# KiCad board fpga_panelized.kicad_pcb (continued)
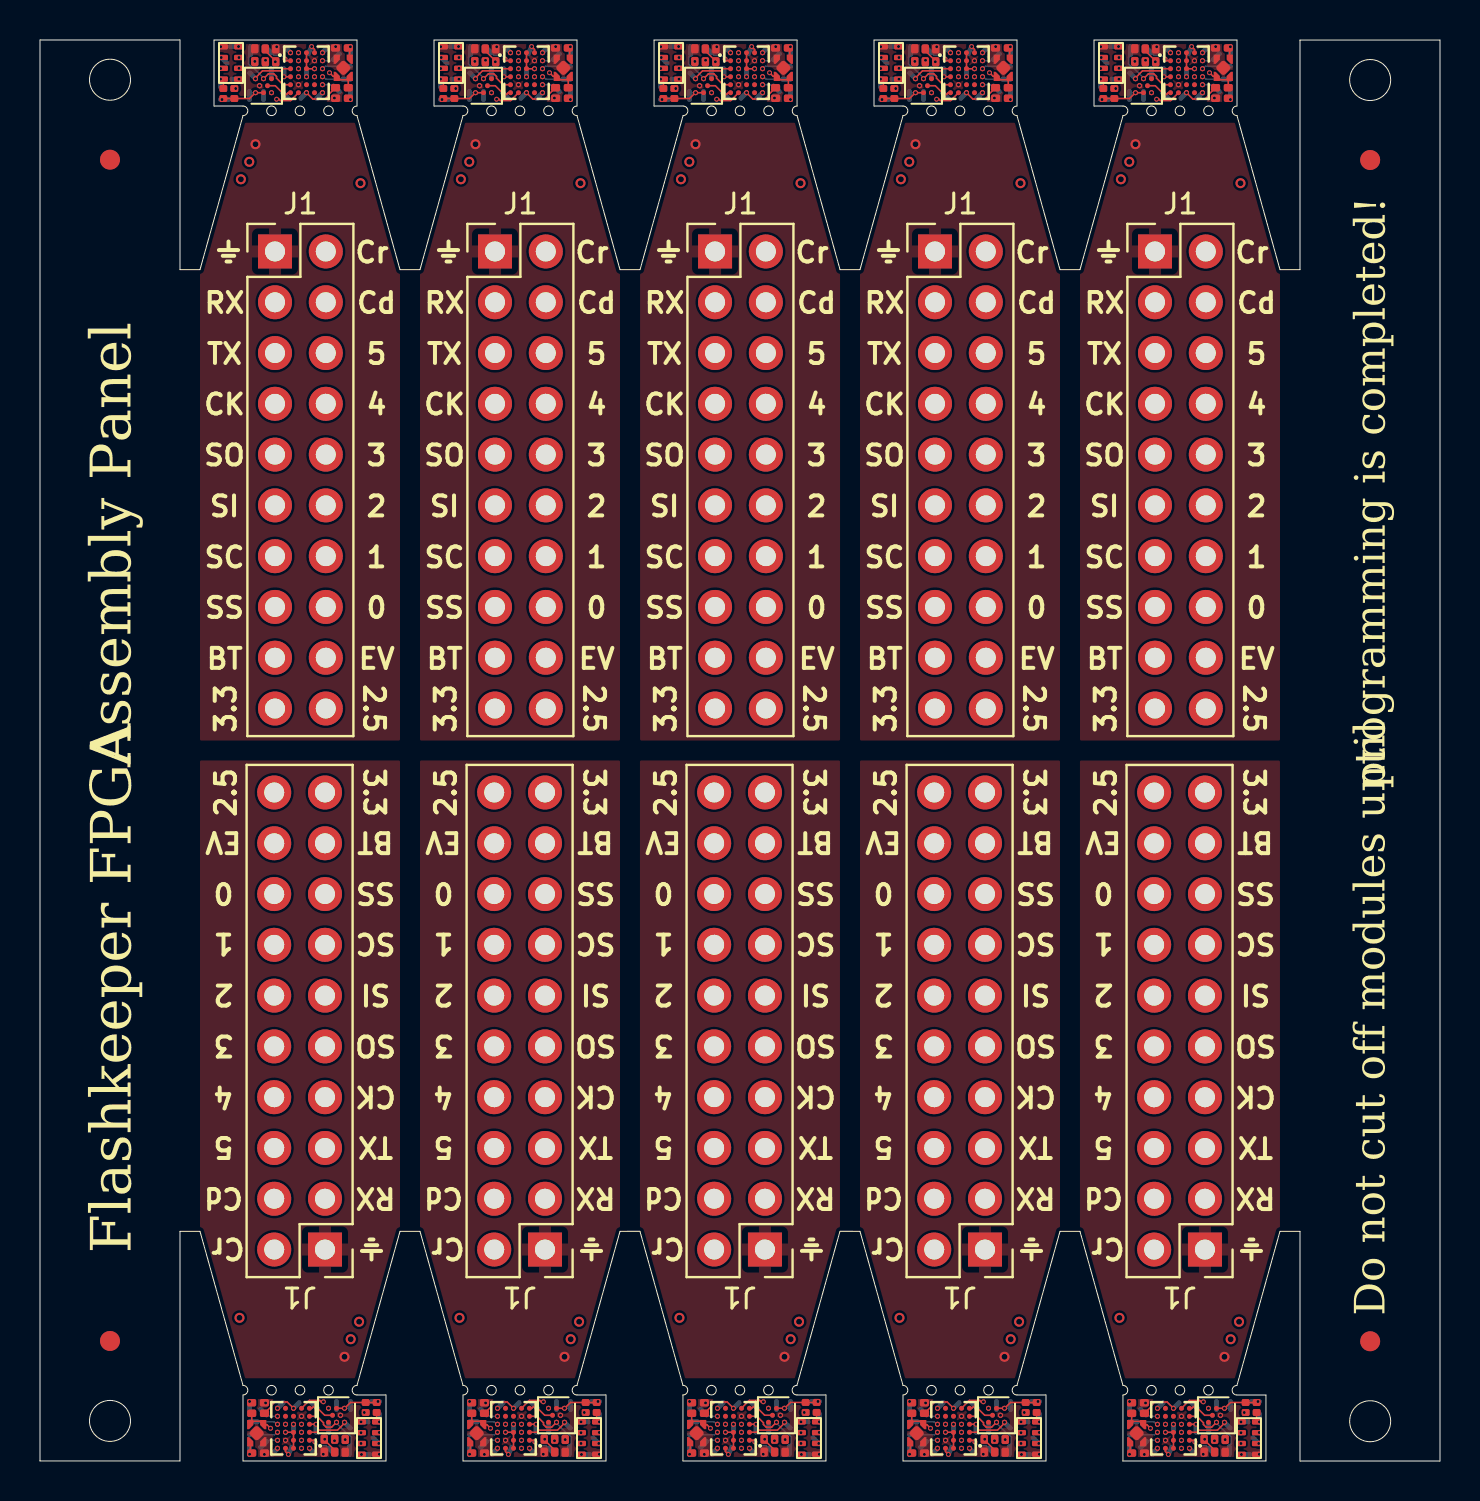
[diagram p0: board, top side]
## Routing (per net, layer and track width the routed paths; a pad name or vN(x,y) marks a point on that pad's centre or on a via; arc(x,y) is an arc through that point) (continued)
CRESET: length 103.1
  Top w0.076: v1(35.33,68.44) 35.64,68.12 36.26,68.12 36.44,68.31 36.44,68.35 R1#5.2 36.8,68.71 36.8,68.74 36.78,68.77 36.74,68.77 ; v1(23.68,2.64) 23.36,2.95 22.74,2.95 22.56,2.77 22.56,2.72 R1#9.2 22.2,2.36 22.2,2.33 22.23,2.31 22.26,2.31 ; 33.26,2.31 33.22,2.31 33.2,2.33 33.2,2.36 R1#4.2 33.56,2.72 33.56,2.77 33.74,2.95 34.36,2.95 v1(34.67,2.64) ; v1(46.32,68.44) 46.64,68.12 47.26,68.12 47.44,68.31 47.44,68.35 R1.2 47.8,68.71 47.8,68.74 47.77,68.77 47.74,68.77 ; 11.26,2.31 11.23,2.31 11.2,2.33 11.2,2.36 R1#8.2 11.56,2.72 11.56,2.77 11.74,2.95 12.36,2.95 v1(12.68,2.64) ; 14.74,68.77 14.77,68.77 14.8,68.74 14.8,68.71 R1#2.2 14.44,68.35 14.44,68.31 14.26,68.12 13.64,68.12 v1(13.32,68.44) ; 25.74,68.77 25.77,68.77 25.8,68.74 25.8,68.71 R1#10.2 25.44,68.35 25.44,68.31 25.26,68.12 24.64,68.12 v1(24.32,68.44) ; v1(56.67,2.64) 56.36,2.95 55.74,2.95 55.56,2.77 55.56,2.72 R1#7.2 55.2,2.36 55.2,2.33 55.22,2.31 55.26,2.31 ; v1(57.32,68.44) 57.64,68.12 58.26,68.12 58.44,68.31 58.44,68.35 R1#6.2 58.8,68.71 58.8,68.74 58.77,68.77 58.74,68.77 ; v1(45.68,2.64) 45.36,2.95 44.74,2.95 44.56,2.77 44.56,2.72 R1#3.2 44.2,2.36 44.2,2.33 44.23,2.31 44.26,2.31
  In4.Cu w0.076: v1(24.33,68.44) 24.33,68.17 24.48,68.02 24.48,66.63 24.73,66.39 ; v1(45.68,2.64) 45.68,2.9 45.52,3.06 45.52,4.44 45.28,4.69 ; v1(57.33,68.44) 57.33,68.17 57.48,68.02 57.48,66.63 57.72,66.39 ; 34.27,4.69 34.52,4.44 34.52,3.06 34.67,2.9 v1(34.67,2.64) ; 46.72,66.39 46.48,66.63 46.48,68.02 46.33,68.17 v1(46.33,68.44) ; v1(56.67,2.64) 56.67,2.9 56.52,3.06 56.52,4.44 56.27,4.69 ; 12.28,4.69 12.52,4.44 12.52,3.06 12.68,2.9 v1(12.68,2.64) ; 35.73,66.39 35.48,66.63 35.48,68.02 35.33,68.17 v1(35.33,68.44) ; v1(23.68,2.64) 23.68,2.9 23.52,3.06 23.52,4.44 23.28,4.69 ; v1(13.33,68.44) 13.33,68.17 13.48,68.02 13.48,66.63 13.73,66.39
  In4.Cu w0.125: J1#2.2 58.29,65.82 57.72,66.39 ; 56.27,4.69 55.71,5.25 J1#8.2 ; 12.28,4.69 11.71,5.25 J1#9.2 ; J1#6.2 25.29,65.82 24.73,66.39 ; J1#3.2 47.29,65.82 46.72,66.39 ; 35.73,66.39 36.29,65.82 J1#4.2 ; 45.28,4.69 44.71,5.25 J1#5.2 ; J1#7.2 33.71,5.25 34.27,4.69 ; 23.28,4.69 22.71,5.25 J1#10.2 ; 13.73,66.39 14.29,65.82 J1.2
CSPI_MISO: length 269.1
  Top w0.076: U1#10.E1 13.85,2.24 14.18,1.91 14.18,1.83 14.3,1.7 14.59,1.7 v1(14.83,1.94) ; U1#9.E1 12.15,68.84 11.82,69.16 11.82,69.25 11.7,69.38 11.41,69.38 v1(11.17,69.14) ; v1(22.17,69.14) 22.41,69.38 22.7,69.38 22.82,69.25 22.82,69.16 23.15,68.84 U1#4.E1 ; v1(55.17,69.14) 55.41,69.38 55.7,69.38 55.82,69.25 55.82,69.16 56.15,68.84 U1#8.E1 ; v1(44.17,69.14) 44.41,69.38 44.7,69.38 44.82,69.25 44.82,69.16 45.15,68.84 U1#3.E1 ; v1(58.82,1.94) 58.58,1.7 58.3,1.7 58.17,1.82 58.17,1.91 57.85,2.24 U1#2.E1 ; v1(47.83,1.94) 47.59,1.7 47.3,1.7 47.18,1.83 47.18,1.91 46.85,2.24 U1#6.E1 ; U1#5.E1 24.85,2.24 25.18,1.91 25.18,1.83 25.3,1.7 25.59,1.7 v1(25.83,1.94) ; U1.E1 35.85,2.24 36.17,1.91 36.17,1.83 36.3,1.7 36.58,1.7 v1(36.82,1.94) ; U1#7.E1 34.15,68.84 33.83,69.16 33.83,69.25 33.7,69.38 33.42,69.38 v1(33.18,69.14)
  In3.Cu w0.076: v1(14.83,1.94) 14.7,2.06 14.7,2.47 14.89,2.66 14.89,2.76 15.06,2.93 15.06,4.65 ; 59.06,4.65 59.06,2.93 58.89,2.76 58.89,2.66 58.7,2.47 58.7,2.06 v1(58.82,1.94) ; v1(47.83,1.94) 47.7,2.06 47.7,2.47 47.89,2.66 47.89,2.76 48.06,2.93 48.06,4.65 ; 10.94,66.43 10.94,68.14 11.11,68.31 11.11,68.42 11.3,68.61 11.3,69.01 v1(11.17,69.14) ; 21.94,66.43 21.94,68.14 22.11,68.31 22.11,68.42 22.3,68.61 22.3,69.01 v1(22.17,69.14) ; 32.94,66.43 32.94,68.14 33.11,68.31 33.11,68.42 33.3,68.61 33.3,69.01 v1(33.18,69.14) ; v1(36.82,1.94) 36.7,2.06 36.7,2.47 36.89,2.66 36.89,2.76 37.06,2.93 37.06,4.65 ; v1(25.83,1.94) 25.7,2.06 25.7,2.47 25.89,2.66 25.89,2.76 26.06,2.93 26.06,4.65 ; v1(44.17,69.14) 44.3,69.01 44.3,68.61 44.11,68.42 44.11,68.31 43.94,68.14 43.94,66.43 ; 54.94,66.43 54.94,68.14 55.11,68.31 55.11,68.42 55.3,68.61 55.3,69.01 v1(55.17,69.14)
  In3.Cu w0.125: 54.94,66.43 54.94,66.3 55.2,66.04 55.2,63.81 53.4,62.01 53.4,50.15 J1#2.11 ; J1.11 9.4,50.15 9.4,62.01 11.2,63.81 11.2,66.04 10.94,66.3 10.94,66.43 ; J1#7.11 38.6,20.93 38.6,9.06 36.8,7.26 36.8,5.04 37.06,4.78 37.06,4.65 ; 59.06,4.65 59.06,4.78 58.8,5.04 58.8,7.26 60.6,9.06 60.6,20.93 J1#8.11 ; J1#3.11 42.4,50.15 42.4,62.01 44.2,63.81 44.2,66.04 43.94,66.3 43.94,66.43 ; 32.94,66.43 32.94,66.3 33.2,66.04 33.2,63.81 31.4,62.01 31.4,50.15 J1#4.11 ; J1#9.11 16.6,20.93 16.6,9.06 14.8,7.26 14.8,5.04 15.06,4.78 15.06,4.65 ; 26.06,4.65 26.06,4.78 25.8,5.04 25.8,7.26 27.6,9.06 27.6,20.93 J1#10.11 ; J1#6.11 20.4,50.15 20.4,62.01 22.2,63.81 22.2,66.04 21.94,66.3 21.94,66.43 ; 48.06,4.65 48.06,4.78 47.8,5.04 47.8,7.26 49.6,9.06 49.6,20.93 J1#5.11
  Bottom w0.076: 43.48,70.53 43.55,70.47 43.55,70.34 43.43,70.21 43.43,69.87 43.61,69.69 43.67,69.69 44.17,69.18 v1(44.17,69.14) ; 21.48,70.53 21.55,70.47 21.55,70.34 21.43,70.21 21.43,69.87 21.61,69.69 21.67,69.69 22.17,69.18 v1(22.17,69.14) ; v1(36.82,1.94) 36.82,1.89 37.33,1.39 37.39,1.39 37.57,1.2 37.57,0.86 37.45,0.74 37.45,0.61 37.51,0.54 ; 10.48,70.53 10.55,70.47 10.55,70.34 10.43,70.21 10.43,69.87 10.61,69.69 10.67,69.69 11.17,69.18 v1(11.17,69.14) ; v1(55.17,69.14) 55.17,69.18 54.67,69.69 54.61,69.69 54.43,69.87 54.43,70.21 54.55,70.34 54.55,70.47 54.48,70.53 ; 26.52,0.54 26.45,0.61 26.45,0.74 26.57,0.86 26.57,1.2 26.39,1.39 26.33,1.39 25.83,1.89 v1(25.83,1.94) ; v1(58.82,1.94) 58.82,1.89 59.33,1.38 59.39,1.38 59.57,1.2 59.57,0.86 59.45,0.74 59.45,0.61 59.51,0.54 ; v1(47.83,1.94) 47.83,1.89 48.33,1.39 48.39,1.39 48.57,1.2 48.57,0.86 48.45,0.74 48.45,0.61 48.52,0.54 ; v1(33.18,69.14) 33.18,69.18 32.67,69.69 32.61,69.69 32.43,69.87 32.43,70.21 32.55,70.34 32.55,70.47 32.49,70.53 ; 15.52,0.54 15.45,0.61 15.45,0.74 15.57,0.86 15.57,1.2 15.39,1.39 15.33,1.39 14.83,1.89 v1(14.83,1.94)
CSPI_MOSI: length 209.4
  Top w0.076: U3#7.D2 11.77,68.79 12.2,68.36 12.33,68.36 12.41,68.44 U1#9.F1 ; U3#9.D2 33.77,68.79 34.2,68.36 34.33,68.36 34.41,68.44 U1#7.F1 ; U1#8.F1 56.41,68.44 56.33,68.36 56.19,68.36 55.77,68.79 U3#3.D2 ; U1#6.F1 46.59,2.64 46.67,2.72 46.81,2.72 47.24,2.29 U3#10.D2 ; U3#2.D2 22.77,68.79 23.2,68.36 23.33,68.36 23.41,68.44 U1#4.F1 ; U1#5.F1 24.59,2.64 24.67,2.72 24.81,2.72 25.23,2.29 U3#8.D2 ; U3#5.D2 14.23,2.29 13.81,2.72 13.67,2.72 13.59,2.64 U1#10.F1 ; U3#4.D2 36.23,2.29 35.8,2.72 35.67,2.72 35.59,2.64 U1.F1 ; U1#3.F1 45.41,68.44 45.33,68.36 45.19,68.36 44.77,68.79 U3#6.D2 ; U3.D2 58.23,2.29 57.8,2.72 57.67,2.72 57.59,2.64 U1#2.F1
  In2.Cu w0.076: 57.9,4.69 57.78,4.57 57.78,2.72 v1(57.79,2.72) ; 45.1,66.39 45.21,66.5 45.21,68.35 v1(45.21,68.36) ; 13.9,4.69 13.79,4.57 13.79,2.73 v1(13.8,2.72) ; v1(34.21,68.36) 34.22,68.35 34.22,66.5 34.1,66.39 ; v1(23.21,68.36) 23.21,68.35 23.21,66.5 23.1,66.39 ; v1(56.21,68.36) 56.21,68.35 56.21,66.5 56.1,66.39 ; v1(35.79,2.72) 35.78,2.73 35.78,4.57 35.9,4.69 ; v1(24.8,2.72) 24.79,2.73 24.79,4.57 24.9,4.69 ; v1(46.8,2.72) 46.79,2.73 46.79,4.57 46.9,4.69 ; v1(12.21,68.36) 12.21,68.35 12.21,66.5 12.1,66.39
  In2.Cu w0.125: J1#7.9 37.9,19.09 37.9,9.41 35.9,7.41 35.9,4.69 ; 24.9,4.69 24.9,7.41 26.9,9.41 26.9,19.09 J1#10.9 ; 57.9,4.69 57.9,7.41 59.9,9.41 59.9,19.09 J1#8.9 ; 56.1,66.39 56.1,63.66 54.1,61.66 54.1,51.99 J1#2.9 ; J1#9.9 15.9,19.09 15.9,9.41 13.9,7.41 13.9,4.69 ; J1#4.9 32.1,51.99 32.1,61.66 34.1,63.66 34.1,66.39 ; 12.1,66.39 12.1,63.66 10.1,61.66 10.1,51.99 J1.9 ; 45.1,66.39 45.1,63.66 43.1,61.66 43.1,51.99 J1#3.9 ; 46.9,4.69 46.9,7.41 48.9,9.41 48.9,19.09 J1#5.9 ; 23.1,66.39 23.1,63.66 21.1,61.66 21.1,51.99 J1#6.9
CSPI_SCK: length 292.4
  Top w0.076: v1(14.43,2.64) 14.4,2.64 ; v1(46.8,1.84) U1#6.D1 ; v1(25.43,2.64) 25.4,2.64 ; v1(13.8,1.84) U1#10.D1 ; v1(55.57,68.44) 55.6,68.44 ; v1(35.8,1.84) U1.D1 ; v1(44.57,68.44) 44.6,68.44 ; v1(58.42,2.64) 58.4,2.64 ; v1(47.43,2.64) 47.4,2.64 ; v1(57.8,1.84) U1#2.D1 ; v1(12.2,69.24) U1#9.D1 ; v1(22.57,68.44) 22.6,68.44 ; v1(24.8,1.84) U1#5.D1 ; v1(36.42,2.64) 36.4,2.64 ; v1(33.58,68.44) 33.6,68.44 ; v1(34.2,69.24) U1#7.D1 ; v1(11.57,68.44) 11.6,68.44 ; v1(23.2,69.24) U1#4.D1 ; v1(45.2,69.24) U1#3.D1 ; v1(56.2,69.24) U1#8.D1
  In1.Cu w0.076: v1(24.8,1.84) 24.81,1.84 25.43,2.46 v1(25.43,2.64) ; v1(47.43,2.64) 47.43,2.46 46.81,1.84 v1(46.8,1.84) ; v1(14.43,2.64) 14.43,2.46 13.81,1.84 v1(13.8,1.84) ; v1(35.8,1.84) 35.8,1.84 36.42,2.46 v1(36.42,2.64) ; v1(55.57,68.44) 55.57,68.62 56.19,69.24 v1(56.2,69.24) ; v1(44.57,68.44) 44.57,68.62 45.19,69.24 v1(45.2,69.24) ; v1(33.58,68.44) 33.58,68.62 34.2,69.24 v1(34.2,69.24) ; v1(58.42,2.64) 58.42,2.46 57.8,1.84 v1(57.8,1.84) ; v1(12.2,69.24) 12.19,69.24 11.57,68.62 v1(11.57,68.44) ; v1(22.57,68.44) 22.57,68.62 23.19,69.24 v1(23.2,69.24)
  In2.Cu w0.076: v1(22.57,68.44) 22.55,68.44 22.09,67.98 22.09,66.54 22.25,66.39 ; v1(47.43,2.64) 47.45,2.64 47.91,3.09 47.91,4.53 47.75,4.69 ; 44.25,66.39 44.09,66.54 44.09,67.98 44.55,68.44 v1(44.57,68.44) ; 14.75,4.69 14.91,4.53 14.91,3.09 14.45,2.64 v1(14.43,2.64) ; 25.75,4.69 25.91,4.53 25.91,3.09 25.45,2.64 v1(25.43,2.64) ; v1(33.58,68.44) 33.55,68.44 33.1,67.98 33.1,66.54 33.25,66.39 ; 58.75,4.69 58.9,4.53 58.9,3.09 58.45,2.64 v1(58.42,2.64) ; v1(11.57,68.44) 11.55,68.44 11.09,67.98 11.09,66.54 11.25,66.39 ; v1(55.57,68.44) 55.55,68.44 55.09,67.98 55.09,66.54 55.25,66.39 ; 36.75,4.69 36.9,4.53 36.9,3.09 36.45,2.64 v1(36.42,2.64)
  In2.Cu w0.125: 55.25,66.39 55.47,66.16 55.47,63.71 53.65,61.89 53.65,47.36 J1#2.13 ; 14.75,4.69 14.53,4.91 14.53,7.36 16.35,9.19 16.35,23.72 J1#9.13 ; J1#10.13 27.35,23.72 27.35,9.19 25.53,7.36 25.53,4.91 25.75,4.69 ; 36.75,4.69 36.52,4.91 36.52,7.36 38.35,9.19 38.35,23.72 J1#7.13 ; J1#3.13 42.65,47.36 42.65,61.89 44.47,63.71 44.47,66.16 44.25,66.39 ; 33.25,66.39 33.48,66.16 33.48,63.71 31.65,61.89 31.65,47.36 J1#4.13 ; J1#5.13 49.35,23.72 49.35,9.19 47.53,7.36 47.53,4.91 47.75,4.69 ; 22.25,66.39 22.48,66.16 22.48,63.71 20.65,61.89 20.65,47.36 J1#6.13 ; J1.13 9.65,47.36 9.65,61.89 11.48,63.71 11.48,66.16 11.25,66.39 ; 58.75,4.69 58.52,4.91 58.52,7.36 60.35,9.19 60.35,23.72 J1#8.13
  In4.Cu w0.076: v1(56.2,69.24) 56.2,69.24 56.19,69.24 55.75,69.24 55.38,69.6 54.54,69.6 v1(53.95,70.2) ; v1(34.2,69.24) 34.2,69.24 34.2,69.24 33.75,69.24 33.39,69.6 32.55,69.6 v1(31.95,70.2) ; v1(49.05,0.88) 48.46,1.47 47.62,1.47 47.25,1.84 46.81,1.84 46.8,1.83 v1(46.8,1.84) ; v1(38.05,0.88) 37.45,1.47 36.61,1.47 36.25,1.84 35.8,1.84 35.8,1.83 v1(35.8,1.84) ; v1(12.2,69.24) 12.2,69.24 12.19,69.24 11.75,69.24 11.38,69.6 10.54,69.6 v1(9.95,70.2) ; v1(42.95,70.2) 43.54,69.6 44.38,69.6 44.75,69.24 45.19,69.24 45.2,69.24 v1(45.2,69.24) ; v1(13.8,1.84) 13.8,1.83 13.81,1.84 14.25,1.84 14.62,1.47 15.46,1.47 v1(16.05,0.88) ; v1(60.05,0.88) 59.45,1.47 58.61,1.47 58.25,1.84 57.8,1.84 57.8,1.83 v1(57.8,1.84) ; v1(20.95,70.2) 21.54,69.6 22.38,69.6 22.75,69.24 23.19,69.24 23.2,69.24 v1(23.2,69.24) ; v1(24.8,1.84) 24.8,1.83 24.81,1.84 25.25,1.84 25.62,1.47 26.46,1.47 v1(27.05,0.88)
CSPI_SS: length 318.2
  Top w0.076: v1(54.77,69.14) 54.77,69.18 55.12,69.53 56.05,69.53 56.16,69.64 U1#8.C1 ; U1#2.C1 57.84,1.44 57.95,1.54 58.87,1.54 59.22,1.89 v1(59.22,1.94) ; v1(15.23,1.94) 15.23,1.89 14.88,1.54 13.95,1.54 13.84,1.44 U1#10.C1 ; U1#9.C1 12.16,69.64 12.05,69.53 11.12,69.53 10.77,69.18 v1(10.77,69.14) ; U1#5.C1 24.84,1.44 24.95,1.54 25.88,1.54 26.23,1.89 v1(26.23,1.94) ; U1.C1 35.84,1.44 35.95,1.54 36.87,1.54 37.22,1.89 v1(37.22,1.94) ; v1(43.77,69.14) 43.77,69.18 44.12,69.53 45.05,69.53 45.16,69.64 U1#3.C1 ; v1(48.23,1.94) 48.23,1.89 47.88,1.54 46.95,1.54 46.84,1.44 U1#6.C1 ; U1#4.C1 23.16,69.64 23.05,69.53 22.12,69.53 21.77,69.18 v1(21.77,69.14) ; U1#7.C1 34.16,69.64 34.05,69.53 33.13,69.53 32.78,69.18 v1(32.78,69.14)
  In1.Cu w0.076: 32.46,68.65 32.46,68.82 v1(32.78,69.14) ; 32.46,68.65 RN1#2.4 ; 32.46,68.65 32.46,68.31 32.65,68.12 32.82,68.12 32.94,68 32.94,66.79 33.3,66.44 ; 44.3,66.44 43.94,66.79 43.94,68 43.82,68.12 43.64,68.12 43.46,68.31 43.46,68.65 ; 37.54,2.43 37.54,2.25 v1(37.22,1.94) ; 37.54,2.43 37.54,2.77 37.35,2.95 37.18,2.95 37.06,3.07 37.06,4.28 36.7,4.64 ; 37.54,2.43 RN1#4.4 ; RN1#7.4 48.54,2.43 ; 48.54,2.43 48.54,2.25 v1(48.23,1.94) ; 48.54,2.43 48.54,2.77 48.36,2.95 48.18,2.95 48.06,3.07 48.06,4.28 47.71,4.64 ; 54.46,68.65 54.46,68.82 v1(54.77,69.14) ; 54.46,68.65 RN1#10.4 ; 54.46,68.65 54.46,68.31 54.64,68.12 54.82,68.12 54.94,68 54.94,66.79 55.3,66.44 ; 22.3,66.44 21.94,66.79 21.94,68 21.82,68.12 21.64,68.12 21.46,68.31 21.46,68.65 ; v1(43.77,69.14) 43.46,68.82 43.46,68.65 ; 59.54,2.43 59.54,2.77 59.35,2.95 59.18,2.95 59.06,3.07 59.06,4.28 58.7,4.64 ; 59.54,2.43 59.54,2.25 v1(59.22,1.94) ; 59.54,2.43 RN1#5.4 ; 15.54,2.43 15.54,2.25 v1(15.23,1.94) ; 15.54,2.43 RN1#3.4 ; 15.54,2.43 15.54,2.77 15.36,2.95 15.18,2.95 15.06,3.07 15.06,4.28 14.71,4.64 ; 26.54,2.43 26.54,2.77 26.36,2.95 26.18,2.95 26.06,3.07 26.06,4.28 25.71,4.64 ; 26.54,2.43 26.54,2.25 v1(26.23,1.94) ; 26.54,2.43 RN1#6.4 ; 10.46,68.65 10.46,68.82 v1(10.77,69.14) ; 10.46,68.65 10.46,68.31 10.64,68.12 10.82,68.12 10.94,68 10.94,66.79 11.3,66.44 ; 10.46,68.65 RN1#8.4 ; 21.46,68.65 21.46,68.82 v1(21.77,69.14) ; 21.46,68.65 RN1#9.4 ; 43.46,68.65 RN1.4
  In1.Cu w0.125: 33.3,66.44 33.45,66.29 33.45,64.43 31.15,62.14 31.15,45.32 J1#4.15 ; J1#6.15 20.15,45.32 20.15,62.14 22.45,64.43 22.45,66.29 22.3,66.44 ; 44.3,66.44 44.44,66.29 44.44,64.43 42.15,62.14 42.15,45.32 J1#3.15 ; J1.15 9.15,45.32 9.15,62.14 11.45,64.43 11.45,66.29 11.3,66.44 ; 55.3,66.44 55.44,66.29 55.44,64.43 53.15,62.14 53.15,45.32 J1#2.15 ; J1#5.15 49.85,25.76 49.85,8.94 47.56,6.64 47.56,4.79 47.71,4.64 ; J1#7.15 38.85,25.76 38.85,8.94 36.55,6.64 36.55,4.79 36.7,4.64 ; J1#8.15 60.85,25.76 60.85,8.94 58.55,6.64 58.55,4.79 58.7,4.64 ; 14.71,4.64 14.56,4.79 14.56,6.64 16.85,8.94 16.85,25.76 J1#9.15 ; J1#10.15 27.85,25.76 27.85,8.94 25.56,6.64 25.56,4.79 25.71,4.64
  vias: v1(9.79,68.65) v1(16.22,2.43) v1(20.79,68.65) v1(27.22,2.43) v1(31.79,68.65) v1(38.21,2.43) v1(42.78,68.65) v1(49.22,2.43) v1(53.78,68.65) v1(60.21,2.43)
DRX: length 141.5
  In2.Cu w0.076: 12.83,66.39 12.52,66.69 12.52,68.08 12.68,68.24 12.68,68.63 12.61,68.7 12.61,70.35 v1(12.52,70.44) ; v1(34.53,70.44) 34.61,70.35 34.61,68.7 34.68,68.63 34.68,68.24 34.52,68.08 34.52,66.69 34.83,66.39 ; 57.17,4.69 57.48,4.38 57.48,2.99 57.32,2.84 57.32,2.44 57.39,2.38 57.39,0.72 v1(57.47,0.64) ; 45.83,66.39 45.52,66.69 45.52,68.08 45.68,68.24 45.68,68.63 45.61,68.7 45.61,70.35 v1(45.52,70.44) ; v1(56.52,70.44) 56.61,70.35 56.61,68.7 56.68,68.63 56.68,68.24 56.52,68.08 56.52,66.69 56.83,66.39 ; 13.18,4.69 13.48,4.38 13.48,3 13.32,2.84 13.32,2.44 13.39,2.38 13.39,0.72 v1(13.48,0.64) ; v1(35.47,0.64) 35.39,0.72 35.39,2.38 35.32,2.45 35.32,2.84 35.48,3 35.48,4.38 35.17,4.69 ; v1(24.48,0.64) 24.39,0.72 24.39,2.38 24.32,2.44 24.32,2.84 24.48,3 24.48,4.38 24.18,4.69 ; 23.83,66.39 23.52,66.69 23.52,68.08 23.68,68.24 23.68,68.63 23.61,68.7 23.61,70.35 v1(23.52,70.44) ; v1(46.48,0.64) 46.39,0.72 46.39,2.38 46.32,2.44 46.32,2.84 46.48,3 46.48,4.38 46.18,4.69
  In2.Cu w0.125: 57.17,4.69 57.17,7.39 59.42,9.64 59.42,11.94 J1#8.3 ; J1#9.3 15.43,11.94 15.43,9.64 13.18,7.39 13.18,4.69 ; J1#10.3 26.43,11.94 26.43,9.64 24.18,7.39 24.18,4.69 ; J1#3.3 43.58,59.13 43.58,61.44 45.83,63.69 45.83,66.39 ; J1#2.3 54.58,59.13 54.58,61.44 56.83,63.69 56.83,66.39 ; 46.18,4.69 46.18,7.39 48.43,9.64 48.43,11.94 J1#5.3 ; J1#4.3 32.58,59.13 32.58,61.44 34.83,63.69 34.83,66.39 ; 12.83,66.39 12.83,63.69 10.58,61.44 10.58,59.13 J1.3 ; 35.17,4.69 35.17,7.39 37.42,9.64 37.42,11.94 J1#7.3 ; J1#6.3 21.58,59.13 21.58,61.44 23.83,63.69 23.83,66.39
DTX: length 181.4
  Top w0.076: U1#5.B1 24.67,1.04 v1(24.75,0.96) ; v1(57.74,0.96) 57.66,1.04 U1#2.B1 ; v1(46.75,0.96) 46.67,1.04 U1#6.B1 ; v1(23.25,70.12) 23.33,70.04 U1#4.B1 ; U1.B1 35.66,1.04 v1(35.74,0.96) ; U1#8.B1 56.33,70.04 v1(56.25,70.12) ; U1#10.B1 13.67,1.04 v1(13.75,0.96) ; v1(34.26,70.12) 34.34,70.04 U1#7.B1 ; v1(12.25,70.12) 12.33,70.04 U1#9.B1 ; U1#3.B1 45.33,70.04 v1(45.25,70.12)
  In3.Cu w0.076: 12.48,66.39 12.37,66.49 12.37,68.01 12.52,68.16 12.52,68.49 12.34,68.67 12.16,68.67 11.89,68.94 11.89,69.56 12.08,69.75 12.08,69.94 v1(12.25,70.12) ; v1(35.74,0.96) 35.92,1.13 35.92,1.32 36.11,1.52 36.11,2.13 35.84,2.4 35.66,2.4 35.48,2.59 35.48,2.92 35.63,3.07 35.63,4.58 35.52,4.69 ; 13.53,4.69 13.63,4.58 13.63,3.07 13.48,2.92 13.48,2.59 13.66,2.4 13.84,2.4 14.11,2.13 14.11,1.52 13.92,1.32 13.92,1.13 v1(13.75,0.96) ; 23.48,66.39 23.37,66.49 23.37,68.01 23.52,68.16 23.52,68.49 23.34,68.67 23.16,68.67 22.89,68.94 22.89,69.56 23.08,69.75 23.08,69.94 v1(23.25,70.12) ; 57.52,4.69 57.63,4.58 57.63,3.07 57.48,2.92 57.48,2.59 57.66,2.4 57.84,2.4 58.11,2.13 58.11,1.51 57.92,1.32 57.92,1.13 v1(57.74,0.96) ; v1(45.25,70.12) 45.08,69.94 45.08,69.75 44.89,69.56 44.89,68.94 45.16,68.67 45.34,68.67 45.52,68.49 45.52,68.16 45.37,68.01 45.37,66.49 45.47,66.39 ; 56.47,66.39 56.37,66.49 56.37,68.01 56.52,68.16 56.52,68.49 56.34,68.67 56.16,68.67 55.89,68.94 55.89,69.56 56.08,69.75 56.08,69.94 v1(56.25,70.12) ; 34.48,66.39 34.37,66.49 34.37,68.01 34.52,68.16 34.52,68.49 34.34,68.67 34.16,68.67 33.89,68.94 33.89,69.56 34.08,69.75 34.08,69.94 v1(34.26,70.12) ; v1(46.75,0.96) 46.92,1.13 46.92,1.32 47.11,1.52 47.11,2.13 46.84,2.4 46.66,2.4 46.48,2.59 46.48,2.92 46.63,3.07 46.63,4.58 46.53,4.69 ; 24.53,4.69 24.63,4.58 24.63,3.07 24.48,2.92 24.48,2.59 24.66,2.4 24.84,2.4 25.11,2.13 25.11,1.52 24.92,1.32 24.92,1.13 v1(24.75,0.96)
  In3.Cu w0.125: J1#7.5 37.67,14.23 37.67,9.54 35.52,7.39 35.52,4.69 ; J1#6.5 21.33,56.84 21.33,61.54 23.48,63.69 23.48,66.39 ; 46.53,4.69 46.53,7.39 48.68,9.54 48.68,14.23 J1#5.5 ; 57.52,4.69 57.52,7.39 59.67,9.54 59.67,14.23 J1#8.5 ; J1#9.5 15.68,14.23 15.68,9.54 13.53,7.39 13.53,4.69 ; 12.48,66.39 12.48,63.69 10.33,61.54 10.33,56.84 J1.5 ; J1#4.5 32.33,56.84 32.33,61.54 34.48,63.69 34.48,66.39 ; 56.47,66.39 56.47,63.69 54.33,61.54 54.33,56.84 J1#2.5 ; J1#3.5 43.33,56.84 43.33,61.54 45.47,63.69 45.47,66.39 ; J1#10.5 26.68,14.23 26.68,9.54 24.53,7.39 24.53,4.69
  Bottom w0.076: TP17#7.1 58.31,0.77 57.93,0.77 v1(57.74,0.96) ; v1(24.75,0.96) 24.93,0.77 25.31,0.77 TP17#5.1 ; TP17#3.1 11.69,70.3 12.07,70.3 v1(12.25,70.12) ; v1(23.25,70.12) 23.07,70.3 22.69,70.3 TP17#2.1 ; v1(13.75,0.96) 13.93,0.77 14.31,0.77 TP17#9.1 ; v1(46.75,0.96) 46.93,0.77 47.31,0.77 TP17#4.1 ; v1(45.25,70.12) 45.07,70.3 44.69,70.3 TP17#10.1 ; TP17#8.1 36.31,0.77 35.93,0.77 v1(35.74,0.96) ; TP17.1 55.69,70.3 56.07,70.3 v1(56.25,70.12) ; TP17#6.1 33.69,70.3 34.07,70.3 v1(34.26,70.12)
EVT: length 340.9
  Top w0.076: 53.23,69.06 53.19,69.11 ; 53.19,69.11 53.15,69.11 ; 53.19,69.11 53.17,69.09 53.17,68.65 RN1#10.2 ; RN1#3.2 16.83,2.42 16.83,1.98 16.82,1.97 ; 60.81,1.97 60.85,1.97 ; 60.81,1.97 60.83,1.98 60.83,2.42 RN1#5.2 ; 60.81,1.97 60.77,2.01 ; 20.23,69.06 20.19,69.11 ; 20.19,69.11 20.15,69.11 ; 20.19,69.11 20.17,69.09 20.17,68.65 RN1#9.2 ; 9.19,69.11 9.15,69.11 ; 9.19,69.11 9.17,69.09 9.17,68.65 RN1#8.2 ; 9.19,69.11 9.23,69.06 ; RN1#2.2 31.17,68.65 31.17,69.09 31.19,69.11 ; RN1#7.2 49.83,2.42 49.83,1.98 49.81,1.97 ; RN1#6.2 27.83,2.42 27.83,1.98 27.82,1.97 ; 49.77,2.01 49.81,1.97 ; 49.81,1.97 49.85,1.97 ; 38.81,1.97 38.85,1.97 ; 38.81,1.97 38.83,1.98 38.83,2.42 RN1#4.2 ; 38.81,1.97 38.77,2.01 ; 16.82,1.97 16.77,2.01 ; 16.82,1.97 16.85,1.97 ; 27.77,2.01 27.82,1.97 ; 27.82,1.97 27.85,1.97 ; 31.23,69.06 31.19,69.11 ; 31.19,69.11 31.15,69.11 ; 42.19,69.11 42.17,69.09 42.17,68.65 RN1.2 ; 42.19,69.11 42.23,69.06 ; 42.19,69.11 42.15,69.11
  In4.Cu w0.076: v1(16.98,1.96) 16.98,2.17 16.27,2.88 15.57,2.88 15.37,3.08 15.37,4.54 15.57,4.74 ; v1(60.97,1.96) 60.97,2.17 60.26,2.88 59.57,2.88 59.37,3.08 59.37,4.54 59.56,4.74 ; v1(38.97,1.96) 38.97,2.17 38.26,2.88 37.57,2.88 37.37,3.08 37.37,4.54 37.56,4.74 ; v1(31.03,69.12) 31.03,68.91 31.74,68.2 32.43,68.2 32.63,68 32.63,66.53 32.44,66.34 ; 10.44,66.34 10.63,66.53 10.63,68 10.43,68.2 9.73,68.2 9.03,68.91 v1(9.03,69.12) ; 54.44,66.34 54.63,66.53 54.63,68 54.43,68.2 53.74,68.2 53.03,68.91 v1(53.03,69.12) ; v1(27.98,1.96) 27.98,2.17 27.27,2.88 26.57,2.88 26.37,3.08 26.37,4.54 26.57,4.74 ; 48.56,4.74 48.37,4.54 48.37,3.08 48.57,2.88 49.27,2.88 49.97,2.17 v1(49.97,1.96) ; v1(42.03,69.12) 42.03,68.91 42.74,68.2 43.43,68.2 43.63,68 43.63,66.53 43.44,66.34 ; v1(20.03,69.12) 20.03,68.91 20.73,68.2 21.43,68.2 21.63,68 21.63,66.53 21.44,66.34
  In4.Cu w0.125: 15.57,4.74 15.95,5.12 16.42,6.79 16.42,28.33 15.11,29.64 12.97,29.64 J1#9.18 ; 59.56,4.74 59.95,5.12 60.41,6.79 60.41,28.33 59.11,29.64 56.97,29.64 J1#8.18 ; 10.44,66.34 10.05,65.95 9.59,64.29 9.59,42.74 10.89,41.44 13.03,41.44 J1.18 ; J1#6.18 24.03,41.44 21.89,41.44 20.59,42.74 20.59,64.29 21.05,65.95 21.44,66.34 ; J1#10.18 23.97,29.64 26.11,29.64 27.42,28.33 27.42,6.79 26.95,5.12 26.57,4.74 ; J1#3.18 46.03,41.44 43.89,41.44 42.59,42.74 42.59,64.29 43.05,65.95 43.44,66.34 ; 37.56,4.74 37.95,5.12 38.41,6.79 38.41,28.33 37.11,29.64 34.97,29.64 J1#7.18 ; 48.56,4.74 48.95,5.12 49.41,6.79 49.41,28.33 48.11,29.64 45.97,29.64 J1#5.18 ; J1#4.18 35.03,41.44 32.89,41.44 31.59,42.74 31.59,64.29 32.05,65.95 32.44,66.34 ; J1#2.18 57.03,41.44 54.89,41.44 53.59,42.74 53.59,64.29 54.05,65.95 54.44,66.34